# Altium PCB WallLightRemote_V1.0.PcbDoc (part 3 of 3)
Units mm, origin at the board's own origin, x right, y up, seen from the top; angles counter-clockwise.
Board outline 145 x 120 mm, 4 copper layers (Top Layer, Mid-Layer 1, Mid-Layer 2, Bottom Layer), stack 1.578 mm thick; 185 components, 123 nets, 798 pads, 785 vias.
Unrouted connection lines stored in the file: 21.
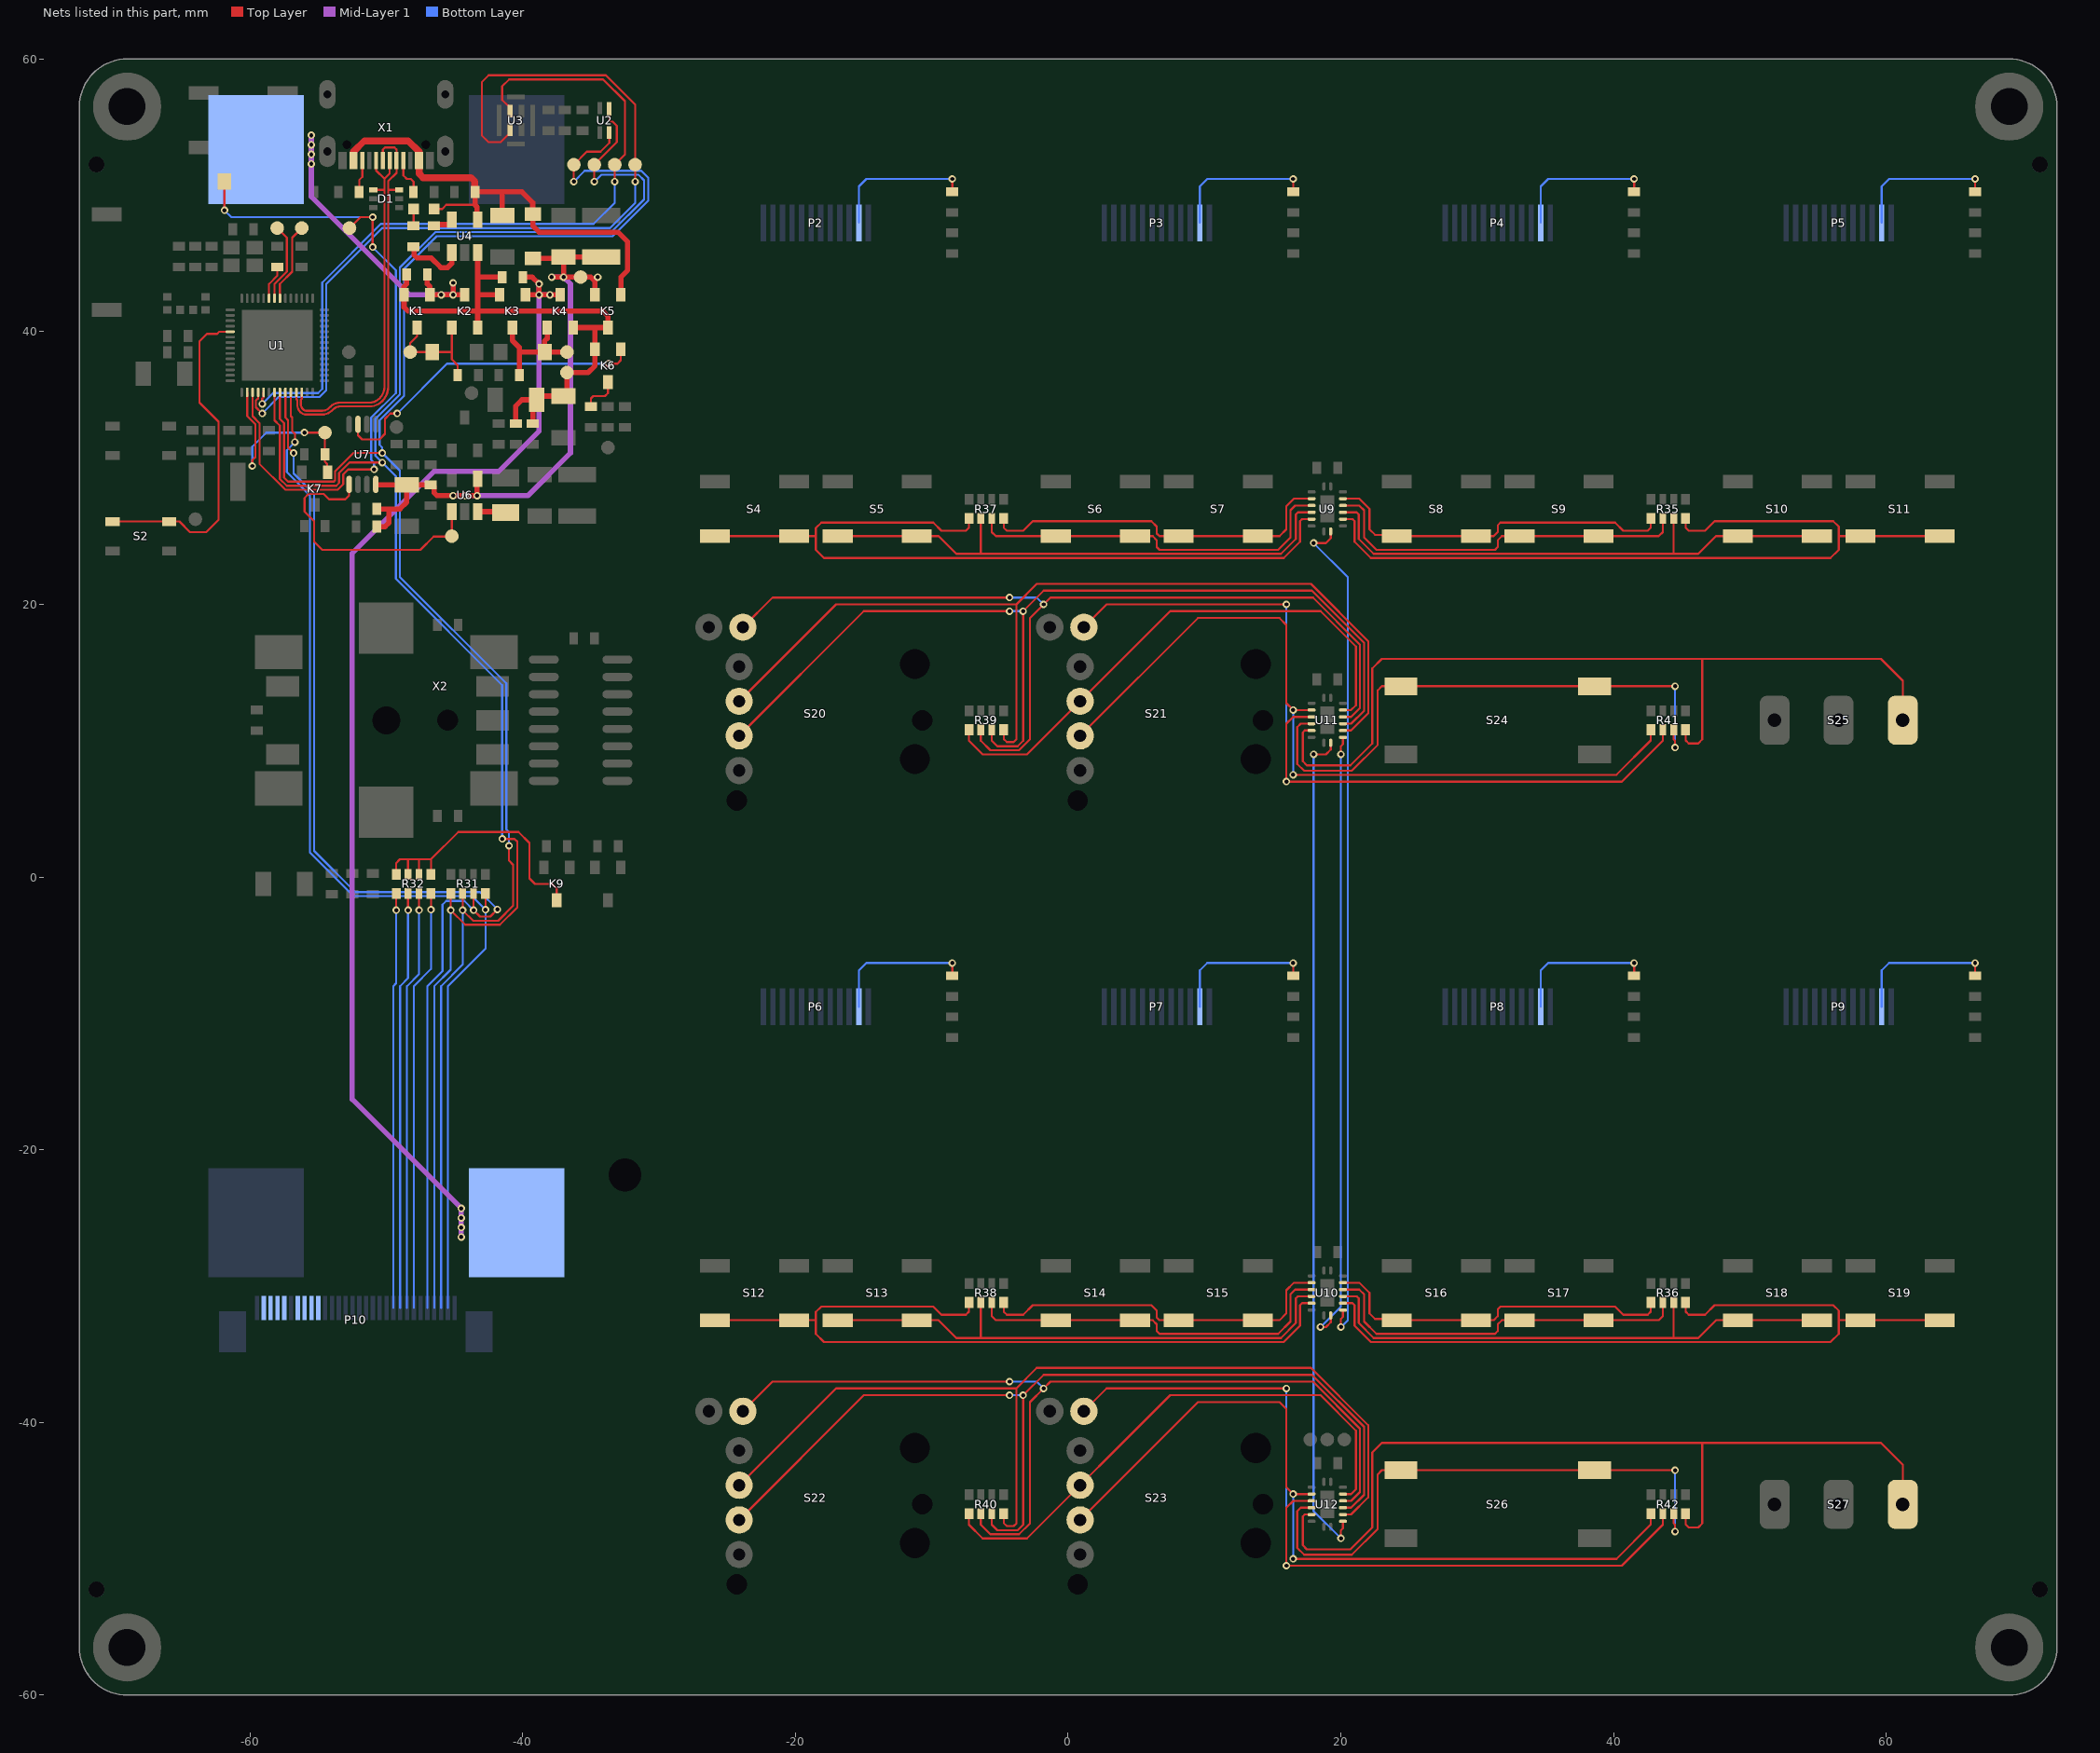
[diagram p5: the nets of this part, all layers, seen from the top]

## Via types
v1: diameter 0.62, hole 0.3, Top Layer to Bottom Layer, tented both sides, 444 vias
v2: diameter 0.55, hole 0.3, Top Layer to Bottom Layer, tented both sides, 341 vias

## Nets (pads, with @x,y where several pads share a name; then routed paths per layer and width w, separated by ;. In a path a pad name is that pad's centre, name@x,y a point inside that pad or via, vN(x,y) a via of type N, cw(c..) or ccw(c..) an arc to the next point about the centre after c; other vN are vias at no path point) (continued)
NetD3_K: D3.K K1.D K2.G R11.2 TP14.1 | length 8.7
  Top Layer w0.152: K1.D@-47.75,40.3 -47.75,39.65 -48.25,39.15 TP14.1@-48.25,38.5 D3.K@-46.62,38.5 -45.225,38.5 -45.2,38.475 ; K2.G@-45.2,40.3 -45.2,38.475 ; R11.2@-44.762,36.8 -44.762,37.537 -45.2,37.975 -45.2,38.475
NetD4_K: D4.K K3.D K4.G R12.2 TP15.1 | length 9.1
  Top Layer w0.381: K3.D@-40.75,40.3 -40.75,39.35 -40.238,38.838 -40.238,38.5 ; R12.2@-40.238,36.8 -40.238,38.5 ; K4.G@-38.2,40.3 -38.2,39.5 -38.4,39.3 -38.4,38.52 D4.K@-38.38,38.5 ; TP15.1@-36.75,38.5 D4.K@-38.38,38.5 ; -40.238,38.5 D4.K@-38.38,38.5
NetK1_G: K1.G K2.D R7.1 X2.1 | length 22.8
  Top Layer w0.152: R7.1@-46.988,44 R7.1@-46.916,43.928
  Top Layer w0.381: R7.1@-47,43.988 -47,43.5 -46.8,43.3 K1.G@-46.8,42.7 ; K1.G@-46.839,42.739 K1.G@-46.8,42.7 ; v2(-45.098,42.7) v2(-45.098,43.577) ; K2.D@-44.25,42.7 K1.G@-46.8,42.7
  Mid-Layer 1 w0.381: v2(-55.5,54.4) v2(-55.5,53.7) v2(-55.5,53) v2(-55.5,52.3) -55.5,49.9 -48.3,42.7 v2(-45.975,42.7) v2(-45.098,42.7)
NetK3_G: K3.G K4.D R8.1 X2.3 | length 87.4
  Top Layer w0.381: R8.1@-39.988,44 -39.3,44 v2(-38.8,43.5) v2(-38.8,42.7) ; K3.G@-39.8,42.7 v2(-38.8,42.7) ; K4.D@-37.25,42.7 v2(-38,42.7) v2(-38.8,42.7)
  Mid-Layer 1 w0.381: v2(-44.5,-26.4) v2(-44.5,-25.7) v2(-44.5,-25) v2(-44.5,-24.3) -52.5,-16.3 -52.5,23.75 -46.5,29.75 -41.75,29.75 -38.8,32.7 v2(-38.8,42.7) ; v2@-38.8,43.577 v2(-38.8,42.7) ; v2@-37.923,42.7 v2(-38.8,42.7)
NetK6_D: K6.D R18.2 | length 2.8
  Top Layer w0.152: R18.2@-35,34.512 -35,35.1 -34.825,35.275 -33.975,35.275 -33.75,35.5 K6.D@-33.75,36.3
NetK6_G: K6.G U7.3 | length 24
  Top Layer w0.152: U7.3@-52.075,33.2 -52.075,32.4 -51.775,32.1 -50.5,32.1 -50.1,32.5 -50.1,33.6 -49.7,34 v2(-49.2,34) ; v2(-33.7,37.65) -33.05,37.65 -32.8,37.9 K6.G@-32.8,38.7
  Bottom Layer w0.152: v2(-49.2,34) -45.55,37.65 v2(-33.7,37.65)
NetK9_D: K9.D R32.1 R32.2 R32.3 R32.4 | length 20.9
  Top Layer w0.152: R32.4@-49.275,0.2 -49.275,1.025 -49,1.3 -48.4,1.3 ; R32.3@-48.4,0.2 -48.4,1.3 ; R32.2@-47.6,0.2 -47.6,1.3 ; R32.1@-46.725,0.2 -46.725,1.3 ; K9.D@-37.5,-1.7 -37.5,-0.825 -37.825,-0.5 -39.1,-0.5 -39.5,-0.1 -39.5,2.5 -40.3,3.3 -44.725,3.3 -46.725,1.3 ; -48.4,1.3 -47.6,1.3 ; -47.6,1.3 -46.725,1.3
NetL2_1: L2.1 U6.3 | length 2.1
  Top Layer w0.381: U6.3@-43.3,26.8 -41.325,26.8 L2.1@-41.25,26.725
NetP1_K: P1.K R9.1 | length 1.2
  Top Layer w0.152: R9.1@-48,47.762 P1.K@-48,49
NetP2_2: P2.2 R21.1 | length 10.7
  Top Layer w0.152: R21.1@-8.5,50.262 v2(-8.5,51.2)
  Bottom Layer w0.152: P2.2@-15.35,47.98 -15.35,50.65 -14.8,51.2 v2(-8.5,51.2)
NetP3_2: P3.2 R22.1 | length 10.7
  Top Layer w0.152: R22.1@16.5,50.262 v2(16.5,51.2)
  Bottom Layer w0.152: P3.2@9.65,47.98 9.65,50.65 10.2,51.2 v2(16.5,51.2)
NetP4_2: P4.2 R23.1 | length 10.7
  Top Layer w0.152: R23.1@41.5,50.262 v2(41.5,51.2)
  Bottom Layer w0.152: P4.2@34.65,47.98 34.65,50.65 35.2,51.2 v2(41.5,51.2)
NetP5_2: P5.2 R24.1 | length 10.7
  Top Layer w0.152: R24.1@66.5,50.262 v2(66.5,51.2)
  Bottom Layer w0.152: P5.2@59.65,47.98 59.65,50.65 60.2,51.2 v2(66.5,51.2)
NetP6_2: P6.2 R25.1 | length 10.7
  Top Layer w0.152: R25.1@-8.5,-7.238 v2(-8.5,-6.3)
  Bottom Layer w0.152: P6.2@-15.35,-9.52 -15.35,-6.85 -14.8,-6.3 v2(-8.5,-6.3)
NetP7_2: P7.2 R26.1 | length 10.7
  Top Layer w0.152: R26.1@16.5,-7.238 v2(16.5,-6.3)
  Bottom Layer w0.152: P7.2@9.65,-9.52 9.65,-6.85 10.2,-6.3 v2(16.5,-6.3)
NetP8_2: P8.2 R27.1 | length 10.7
  Top Layer w0.152: R27.1@41.5,-7.238 v2(41.5,-6.3)
  Bottom Layer w0.152: P8.2@34.65,-9.52 34.65,-6.85 35.2,-6.3 v2(41.5,-6.3)
NetP9_2: P9.2 R28.1 | length 10.7
  Top Layer w0.152: R28.1@66.5,-7.238 v2(66.5,-6.3)
  Bottom Layer w0.152: P9.2@59.65,-9.52 59.65,-6.85 60.2,-6.3 v2(66.5,-6.3)
NetP10_21: P10.21 R32.5 | length 30.5
  Top Layer w0.152: v2(-49.275,-2.433) R32.5@-49.275,-1.2
  Bottom Layer w0.152: -49.485,-31.6 -49.485,-8 -49.275,-7.79 v2(-49.275,-2.433)
NetP10_22: P10.22 R32.6 | length 30.6
  Top Layer w0.152: v2(-48.4,-2.431) R32.6@-48.4,-1.2
  Bottom Layer w0.152: -48.985,-31.6 -48.985,-8 -48.4,-7.415 v2(-48.4,-2.431)
NetP10_23: P10.23 R32.7 | length 30.8
  Top Layer w0.152: v2(-47.6,-2.427) R32.7@-47.6,-1.2
  Bottom Layer w0.152: -48.485,-31.6 -48.485,-8 -47.6,-7.115 v2(-47.6,-2.427)
NetP10_24: P10.24 R32.8 | length 30.9
  Top Layer w0.152: v2(-46.725,-2.399) R32.8@-46.725,-1.2
  Bottom Layer w0.152: -47.985,-31.6 -47.985,-8 -46.725,-6.74 v2(-46.725,-2.399)
NetR2_2: R2.2 U1.51 | length 2.5
  Top Layer w0.152: U1.51@-58.6,42.45 -58.6,43.5 -58,44.1 R2.2@-58,44.738
NetR3_1: R3.1 X1.B5 | length 2.4
  Top Layer w0.152: R3.1@-51.988,50.25 -51.988,51.112 -51.75,51.35 X1.B5@-51.75,52.55
NetR4_1: R4.1 X1.A5 | length 2.8
  Top Layer w0.152: X1.A5@-48.75,52.55 -48.75,51.45 -48.5,51.2 -48.2,51.2 -48,51 -48,50.262 R4.1@-48.012,50.25
NetR9_2: R9.2 U4.1 | length 4.7
  Top Layer w0.381: R9.2@-48,46.238 -47.972,46.21 -47.972,45.623 -47.749,45.4 -46.7,45.4 -46,44.7 -45.5,44.7 -45.2,45 U4.1@-45.2,45.8
NetR10_2: R10.2 U4.5 | length 1.6
  Top Layer w0.381: R10.2@-46.5,47.762 -46.412,47.85 -45.36,47.85 -45.2,48.01 U4.5@-45.2,48.2
NetR35_1: R35.1 S8.1 U9.14 | length 26.3
  Top Layer w0.152: U9.14@20.15,27.75 21.35,27.75 22.1,27 22.1,25.5 22.5,25.1 24,25.1 S8.1@24.1,25 S8.1@29.9,25 31.2,25 31.5,25.3 31.5,25.8 31.7,26 40.1,26 40.7,25.4 42.5,25.4 42.725,25.625 R35.1@42.725,26.3
NetR35_2: R35.2 S9.1 U9.13 | length 27.8
  Top Layer w0.152: U9.13@20.15,27.25 21.35,27.25 21.7,26.9 21.7,24.9 22.6,24 31.3,24 31.5,24.2 31.5,24.7 31.8,25 S9.1@33.1,25 S9.1@38.9,25 43.3,25 43.6,25.3 R35.2@43.6,26.3
NetR35_3: R35.3 S10.1 U9.12 | length 40.2
  Top Layer w0.152: U9.12@20.15,26.75 21.15,26.75 21.3,26.6 21.3,24.8 22.4,23.7 44.4,23.7 ; R35.3@44.4,26.3 44.4,23.7 ; S10.1@54.9,25 S10.1@49.1,25 47.5,25 46.2,23.7 44.4,23.7
NetR35_4: R35.4 S11.1 U9.11 | length 60.2
  Top Layer w0.152: U9.11@20.15,26.25 20.85,26.25 21,26.1 21,24.6 22.2,23.4 55.9,23.4 56.5,24 56.5,25 ; R35.4@45.275,26.3 45.275,25.625 45.5,25.4 46.7,25.4 47.4,26.1 56.1,26.1 56.5,25.7 56.5,25 ; S11.1@63.9,25 S11.1@58.1,25 56.5,25
NetR36_1: R36.1 S16.1 U10.14 | length 26.3
  Top Layer w0.152: U10.14@20.15,-29.75 21.35,-29.75 22.1,-30.5 22.1,-32 22.5,-32.4 24,-32.4 S16.1@24.1,-32.5 S16.1@29.9,-32.5 31.2,-32.5 31.5,-32.2 31.5,-31.7 31.7,-31.5 40.1,-31.5 40.7,-32.1 42.5,-32.1 42.725,-31.875 R36.1@42.725,-31.2
NetR36_2: R36.2 S17.1 U10.13 | length 27.8
  Top Layer w0.152: U10.13@20.15,-30.25 21.35,-30.25 21.7,-30.6 21.7,-32.6 22.6,-33.5 31.3,-33.5 31.5,-33.3 31.5,-32.8 31.8,-32.5 S17.1@33.1,-32.5 S17.1@38.9,-32.5 43.3,-32.5 43.6,-32.2 R36.2@43.6,-31.2
NetR36_3: R36.3 S18.1 U10.12 | length 40.2
  Top Layer w0.152: U10.12@20.15,-30.75 21.15,-30.75 21.3,-30.9 21.3,-32.7 22.4,-33.8 44.4,-33.8 ; R36.3@44.4,-31.2 44.4,-33.8 ; S18.1@54.9,-32.5 S18.1@49.1,-32.5 47.5,-32.5 46.2,-33.8 44.4,-33.8
NetR36_4: R36.4 S19.1 U10.11 | length 60.2
  Top Layer w0.152: U10.11@20.15,-31.25 20.85,-31.25 21,-31.4 21,-32.9 22.2,-34.1 55.9,-34.1 56.5,-33.5 56.5,-32.5 ; R36.4@45.275,-31.2 45.275,-31.875 45.5,-32.1 46.7,-32.1 47.4,-31.4 56.1,-31.4 56.5,-31.8 56.5,-32.5 ; S19.1@63.9,-32.5 S19.1@58.1,-32.5 56.5,-32.5
NetR37_1: R37.1 S4.1 U9.6 | length 60.1
  Top Layer w0.152: S4.1@-25.9,25 S4.1@-20.1,25 -18.8,25 -18.5,25 ; R37.1@-7.275,26.3 -7.275,25.625 -7.5,25.4 -9.3,25.4 -9.9,26 -18.1,26 -18.5,25.6 -18.5,25 ; U9.6@17.85,26.25 17.15,26.25 17,26.1 17,24.6 15.8,23.4 -17.9,23.4 -18.5,24 -18.5,25
NetR37_2: R37.2 S5.1 U9.5 | length 40.2
  Top Layer w0.152: S5.1@-16.9,25 S5.1@-11.1,25 -9.5,25 -8.2,23.7 -6.4,23.7 ; R37.2@-6.4,26.3 -6.4,23.7 ; U9.5@17.85,26.75 16.85,26.75 16.7,26.6 16.7,24.8 15.6,23.7 -6.4,23.7
NetR37_3: R37.3 S6.1 U9.4 | length 27.8
  Top Layer w0.152: R37.3@-5.6,26.3 -5.6,25.3 -5.3,25 S6.1@-0.9,25 6.2,25 6.5,24.7 6.5,24.2 6.7,24 15.4,24 16.3,24.9 16.3,26.9 16.65,27.25 U9.4@17.85,27.25
NetR37_4: R37.4 S7.1 U9.3 | length 26.5
  Top Layer w0.152: R37.4@-4.725,26.3 -4.725,25.625 -4.5,25.4 -3.3,25.4 -2.6,26.1 6.1,26.1 6.5,25.7 6.5,25.2 6.7,25 S7.1@8.1,25 S7.1@13.9,25 15.5,25 16,25.5 16,27.2 16.55,27.75 U9.3@17.85,27.75
NetR38_1: R38.1 S12.1 U10.6 | length 60.1
  Top Layer w0.152: S12.1@-25.9,-32.5 S12.1@-20.1,-32.5 -18.8,-32.5 -18.5,-32.5 ; R38.1@-7.275,-31.2 -7.275,-31.875 -7.5,-32.1 -9.3,-32.1 -9.9,-31.5 -18.1,-31.5 -18.5,-31.9 -18.5,-32.5 ; U10.6@17.85,-31.25 17.15,-31.25 17,-31.4 17,-32.9 15.8,-34.1 -17.9,-34.1 -18.5,-33.5 -18.5,-32.5
NetR38_2: R38.2 S13.1 U10.5 | length 40.2
  Top Layer w0.152: S13.1@-16.9,-32.5 S13.1@-11.1,-32.5 -9.5,-32.5 -8.2,-33.8 -6.4,-33.8 ; R38.2@-6.4,-31.2 -6.4,-33.8 ; U10.5@17.85,-30.75 16.85,-30.75 16.7,-30.9 16.7,-32.7 15.6,-33.8 -6.4,-33.8
NetR38_3: R38.3 S14.1 U10.4 | length 27.8
  Top Layer w0.152: R38.3@-5.6,-31.2 -5.6,-32.2 -5.3,-32.5 S14.1@-0.9,-32.5 6.2,-32.5 6.5,-32.8 6.5,-33.3 6.7,-33.5 15.4,-33.5 16.3,-32.6 16.3,-30.6 16.65,-30.25 U10.4@17.85,-30.25
NetR38_4: R38.4 S15.1 U10.3 | length 26.5
  Top Layer w0.152: R38.4@-4.725,-31.2 -4.725,-31.875 -4.5,-32.1 -3.3,-32.1 -2.6,-31.4 6.1,-31.4 6.5,-31.8 6.5,-32.3 6.7,-32.5 S15.1@8.1,-32.5 S15.1@13.9,-32.5 15.5,-32.5 16,-32 16,-30.3 16.55,-29.75 U10.3@17.85,-29.75
NetR39_1: R39.1 S21.3 U11.14 | length 40.4
  Top Layer w0.152: R39.1@-7.275,10.8 -7.275,10 -6.275,9 -3.02,9 7.48,19.5 18.5,19.5 21.1,16.9 21.1,12.6 20.75,12.25 U11.14@20.15,12.25
NetR39_2: R39.2 S20.5 U11.13 | length 69.5
  Top Layer w0.152: S20.5@-23.85,18.325 -21.675,20.5 v2(-4.3,20.5) ; R39.2@-6.4,10.8 -6.4,10 -5.7,9.3 -3.6,9.3 -2.8,10.1 -2.8,19 v2(-1.8,20) -1.3,20.5 17.951,20.5 21.4,17.051 21.4,12.4 20.75,11.75 U11.13@20.15,11.75
  Bottom Layer w0.152: v2(-4.3,20.5) -2.3,20.5 v2(-1.8,20)
NetR39_3: R39.3 S20.2 U11.12 | length 71.6
  Top Layer w0.152: S20.2@-24.125,10.355 -14.98,19.5 v2@-4.4,19.5 ; R39.3@-5.6,10.8 -5.6,10 -5.2,9.6 -3.7,9.6 -3.3,10 v2(-3.3,19.5) -1.8,21 17.876,21 21.7,17.176 21.7,12.2 20.75,11.25 U11.12@20.15,11.25
  Bottom Layer w0.152: v2(-4.3,19.5) v2(-3.3,19.5)
NetR39_4: R39.4 S20.3 U11.11 | length 70.8
  Top Layer w0.152: S20.3@-24.125,12.895 -17.02,20 -3.8,20 ; R39.4@-4.725,10.8 -4.725,10.125 -4.5,9.9 -4,9.9 -3.8,10.1 -3.8,20 ; U11.11@20.15,10.75 20.75,10.75 22,12 22,17.3 17.8,21.5 -2.3,21.5 -3.8,20
NetR40_1: R40.1 S23.3 U12.14 | length 40.4
  Top Layer w0.152: R40.1@-7.275,-46.7 -7.275,-47.5 -6.275,-48.5 -3.02,-48.5 7.48,-38 18.5,-38 21.1,-40.6 21.1,-44.9 20.75,-45.25 U12.14@20.15,-45.25
NetR40_2: R40.2 S22.5 U12.13 | length 69.5
  Top Layer w0.152: S22.5@-23.85,-39.175 -21.675,-37 v2(-4.3,-37) ; R40.2@-6.4,-46.7 -6.4,-47.5 -5.7,-48.2 -3.6,-48.2 -2.8,-47.4 -2.8,-38.5 v2(-1.8,-37.5) -1.3,-37 17.951,-37 21.4,-40.449 21.4,-45.1 20.75,-45.75 U12.13@20.15,-45.75
  Bottom Layer w0.152: v2(-4.3,-37) -2.3,-37 v2(-1.8,-37.5)
NetR40_3: R40.3 S22.2 U12.12 | length 71.6
  Top Layer w0.152: S22.2@-24.125,-47.145 -14.98,-38 v2@-4.4,-38 ; R40.3@-5.6,-46.7 -5.6,-47.5 -5.2,-47.9 -3.7,-47.9 -3.3,-47.5 v2(-3.3,-38) -1.8,-36.5 17.876,-36.5 21.7,-40.324 21.7,-45.3 20.75,-46.25 U12.12@20.15,-46.25
  Bottom Layer w0.152: v2(-4.3,-38) v2(-3.3,-38)
NetR40_4: R40.4 S22.3 U12.11 | length 70.8
  Top Layer w0.152: S22.3@-24.125,-44.605 -17.02,-37.5 -3.8,-37.5 ; R40.4@-4.725,-46.7 -4.725,-47.375 -4.5,-47.6 -4,-47.6 -3.8,-47.4 -3.8,-37.5 ; U12.11@20.15,-46.75 20.75,-46.75 22,-45.5 22,-40.2 17.8,-36 -2.3,-36 -3.8,-37.5
NetR41_1: R41.1 S21.2 U11.3 | length 59.5
  Top Layer w0.152: S21.2@0.875,10.355 9.52,19 15.5,19 16,18.5 16,12.75 v2(16.5,12.25) U11.3@17.85,12.25 ; v2(16.5,7.5) 40.2,7.5 42.725,10.025 R41.1@42.725,10.8
  Bottom Layer w0.152: v2(16.5,7.5) v2(16.5,12.25)
NetR41_2: R41.2 S21.5 U11.4 | length 64.5
  Top Layer w0.152: S21.5@1.15,18.325 2.825,20 v2(16,20) v2@16.001,19.999 ; U11.4@17.85,11.75 16.5,11.75 16,11.25 v2(16,7) 40.6,7 43.6,10 R41.2@43.6,10.8
  Bottom Layer w0.152: v2(16,7) v2(16,20)
NetR41_3: R41.3 S24.1 U11.5 | length 42.4
  Top Layer w0.152: U11.5@17.85,11.25 17.05,11.25 16.8,11 16.8,8.3 17.3,7.8 20.8,7.8 22.7,9.7 22.7,13.7 23,14 S24.1@24.4,14 S24.1@38.6,14 v2@44.4,14 ; R41.3@44.4,10.8 44.4,10.1 44.5,10 v2(44.5,9.5)
  Bottom Layer w0.152: v2(44.5,9.5) v2(44.5,14)
NetR41_4: R41.4 S25.3 U11.6 | length 65.1
  Top Layer w0.152: U11.6@17.85,10.75 17.35,10.75 17.2,10.6 17.2,8.5 17.5,8.2 20.7,8.2 22.3,9.8 22.3,15.3 23,16 46.5,16 ; R41.4@45.275,10.8 45.275,10.025 45.5,9.8 46.2,9.8 46.5,10.1 46.5,16 ; S25.3@61.2,11.5 61.2,14.4 59.6,16 46.5,16
NetR42_1: R42.1 S23.2 U12.3 | length 59.5
  Top Layer w0.152: S23.2@0.875,-47.145 9.52,-38.5 15.5,-38.5 16,-39 16,-44.75 v2(16.5,-45.25) U12.3@17.85,-45.25 ; v2(16.5,-50) 40.2,-50 42.725,-47.475 R42.1@42.725,-46.7
  Bottom Layer w0.152: v2(16.5,-50) v2(16.5,-45.25)
NetR42_2: R42.2 S23.5 U12.4 | length 64.5
  Top Layer w0.152: S23.5@1.15,-39.175 2.825,-37.5 v2(16,-37.5) v2@16.001,-37.501 ; U12.4@17.85,-45.75 16.5,-45.75 16,-46.25 v2(16,-50.5) 40.6,-50.5 43.6,-47.5 R42.2@43.6,-46.7
  Bottom Layer w0.152: v2(16,-50.5) v2(16,-37.5)
NetR42_3: R42.3 S26.1 U12.5 | length 42.4
  Top Layer w0.152: U12.5@17.85,-46.25 17.05,-46.25 16.8,-46.5 16.8,-49.2 17.3,-49.7 20.8,-49.7 22.7,-47.8 22.7,-43.8 23,-43.5 S26.1@24.4,-43.5 S26.1@38.6,-43.5 v2@44.4,-43.5 ; R42.3@44.4,-46.7 44.4,-47.4 44.5,-47.5 v2(44.5,-48)
  Bottom Layer w0.152: v2(44.5,-48) v2(44.5,-43.5)
NetR42_4: R42.4 S27.3 U12.6 | length 65.1
  Top Layer w0.152: U12.6@17.85,-46.75 17.35,-46.75 17.2,-46.9 17.2,-49 17.5,-49.3 20.7,-49.3 22.3,-47.7 22.3,-42.2 23,-41.5 46.5,-41.5 ; R42.4@45.275,-46.7 45.275,-47.475 45.5,-47.7 46.2,-47.7 46.5,-47.4 46.5,-41.5 ; S27.3@61.2,-46 61.2,-43.1 59.6,-41.5 46.5,-41.5
NetS2_1: S2.1 U1.5 | length 24.7
  Top Layer w0.152: S2.1@-70.075,26.075 S2.1@-65.925,26.075 -65.175,26.075 -64.4,25.3 -63.2,25.3 -62.3,26.2 -62.3,33.4 -63.7,34.8 -63.7,39.3 -63.159,39.841 -62.4,39.841 -62.241,40 U1.5@-61.45,40
NetTP3_1: TP3.1 U1.49 | length 5.8
  Top Layer w0.152: U1.49@-57.8,42.45 -57.8,43.5 -56.9,44.4 -56.9,46.9 TP3.1@-56.2,47.6
NetTP4_1: TP4.1 U1.50 | length 5.8
  Top Layer w0.152: U1.50@-58.2,42.45 -58.2,43.5 -57.3,44.4 -57.3,46.9 TP4.1@-58,47.6
NetTP11_1: TP11.1 U1.19 U3.3 | length 56.8
  Top Layer w0.152: v2(-59.1,34.7) -59.1,35.1 -59.009,35.191 -59.009,35.541 U1.19@-59,35.55 ; U3.3@-41.074,56.574 -41.5,57 -41.5,58 -41,58.5 -34.1,58.5 -32.5,56.9 -32.5,53 TP11.1@-33.25,52.25 v2(-33.25,51) ; U3.3@-41.049,56.574 U3.3@-40.925,56.45
  Bottom Layer w0.152: v2(-59.1,34.7) -58.3,35.5 -55,35.5 -54.7,35.8 -54.7,43.6 -50.4,47.9 -34.8,47.9 -33.25,49.45 v2(-33.25,51)
NetTP12_1: TP12.1 U1.18 U3.4 | length 66.1
  Top Layer w0.152: U1.18@-59.4,35.55 -59.4,35.1 -59.559,34.941 -59.559,34.459 v2(-59.1,34) ; U3.4@-41.074,54.426 -41.6,53.9 -42.5,53.9 -43,54.4 -43,58.3 -42.5,58.8 -33.9,58.8 -31.75,56.65 TP12.1@-31.75,52.25 v2(-31.75,51) ; U3.4@-41.049,54.426 U3.4@-40.925,54.55
  Bottom Layer w0.152: v2(-59.1,34) -57.9,35.2 -54.9,35.2 -54.4,35.7 -54.4,43.5 -50.3,47.6 -33.6,47.6 -31.75,49.45 v2(-31.75,51)
NetTP19_1: TP19.1 U6.1 U7.5 | length 20.6
  Top Layer w0.152: U7.5@-52.725,28.8 -52.725,27.975 -53,27.7 -54.2,27.7 -54.6,28.1 -55.7,28.1 -56,27.8 -56,26.8 -55.3,26.1 -55.3,24.6 -54.7,24 -47.5,24 -46.525,24.975 -45.225,24.975 TP19.1@-45.2,25 U6.1@-45.2,26.8
NetU9_9: U9.9 U10.10 | length 61.9
  Top Layer w0.152: v2(18,24.5) 18.9,24.5 19.25,24.85 U9.9@19.25,25.35 ; v2(20,-33) 20,-32.4 20.15,-32.25 U10.10@20.15,-31.75
  Bottom Layer w0.152: v2(18,24.5) 20.5,22 20.5,-32.5 v2(20,-33)